# Altium PCB Mainboard.PcbDoc (part 3 of 4) (continued)
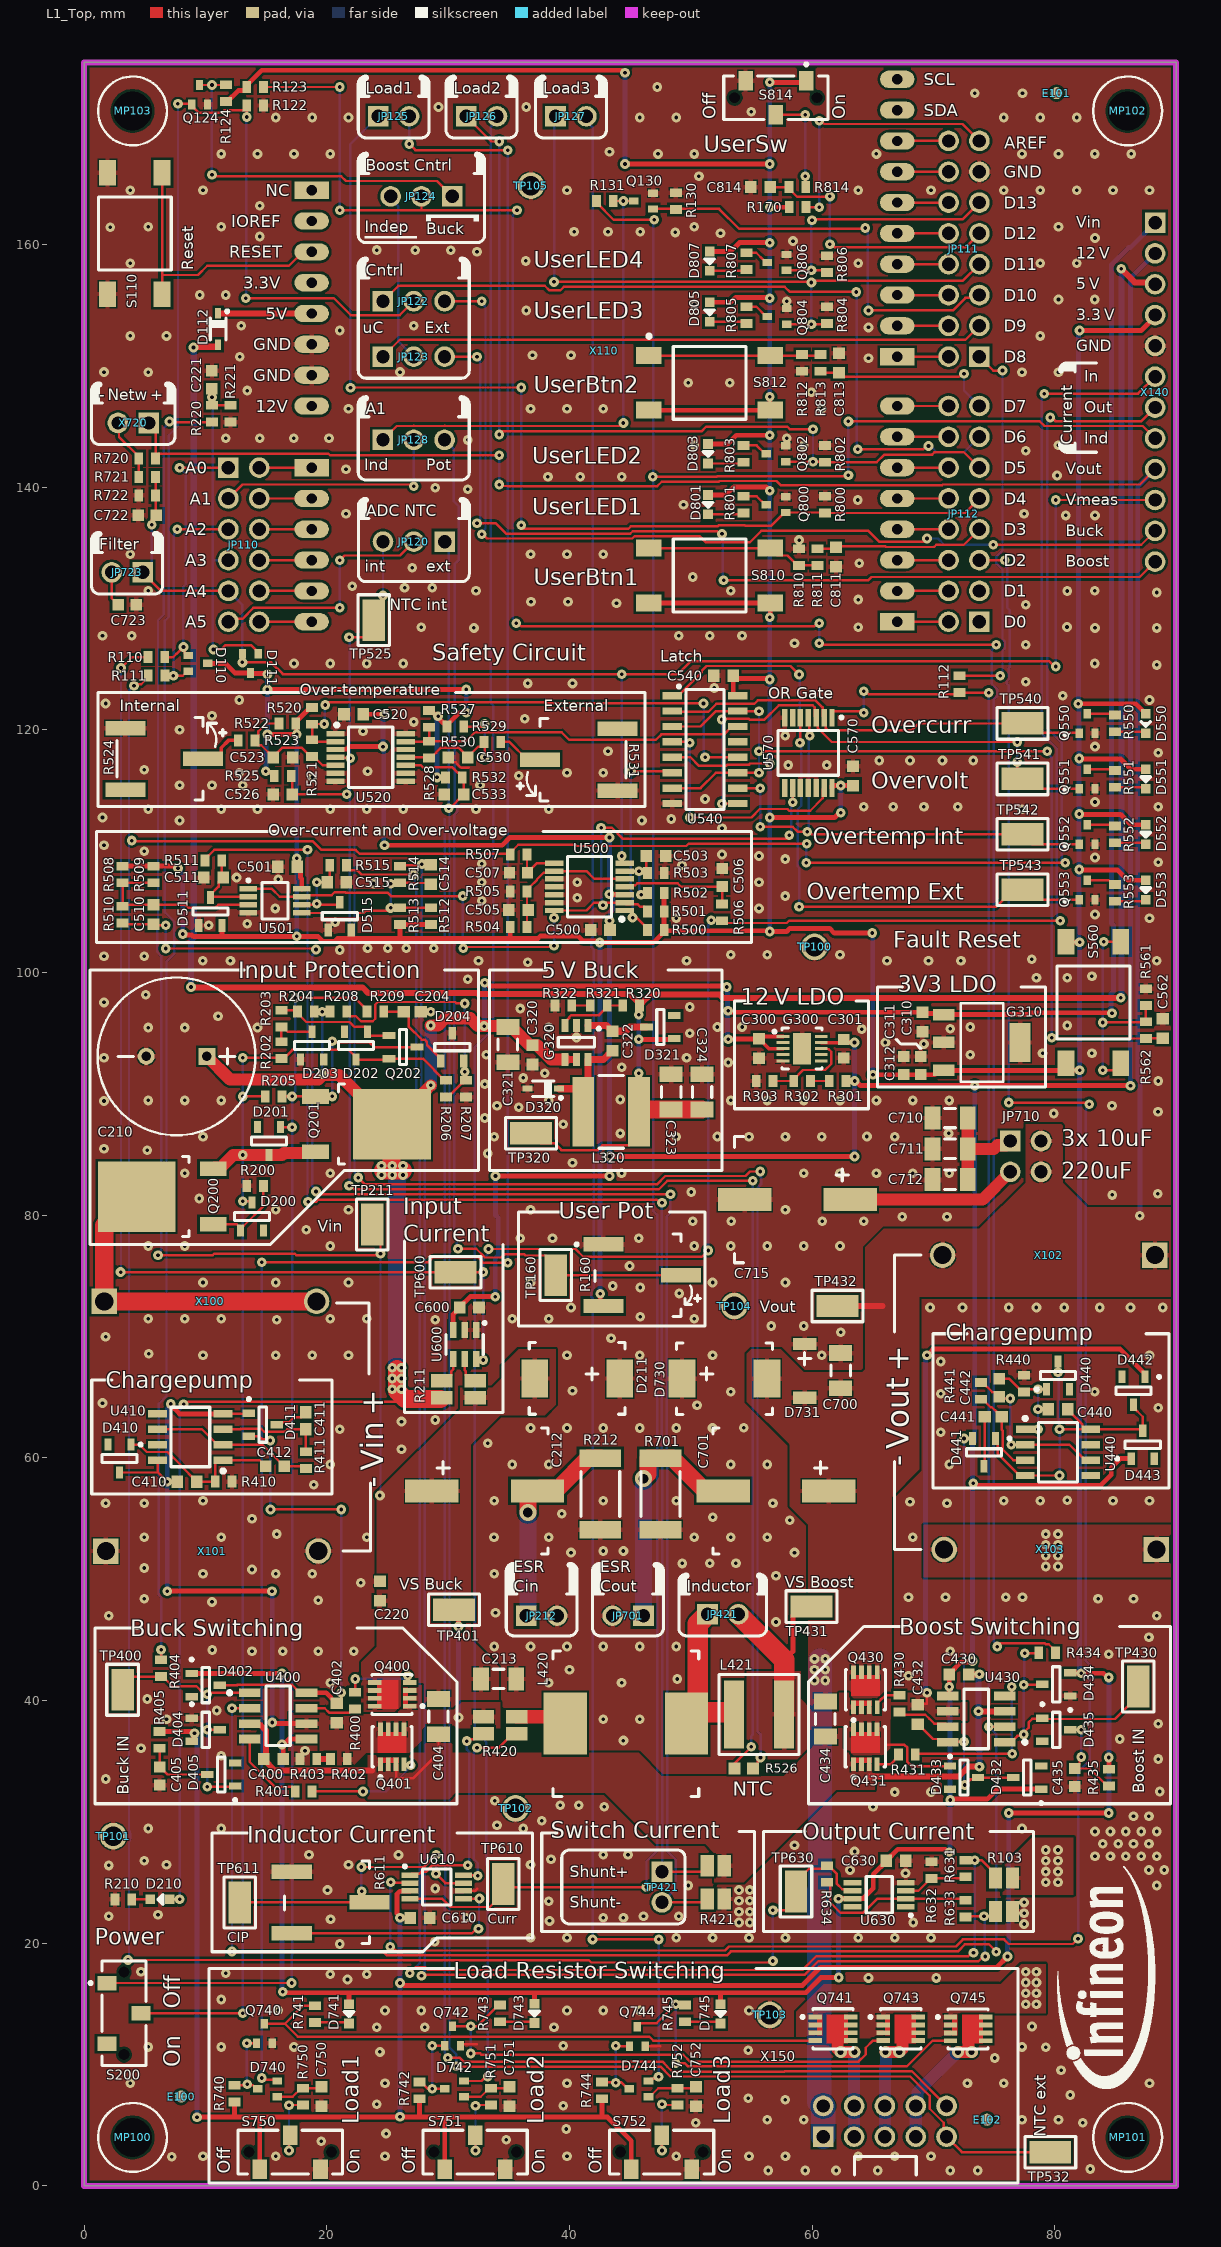
[diagram p0: L1_Top view]
## Nets (pads, with @x,y where several pads share a name; then routed paths per layer and width w, separated by ;. In a path a pad name is that pad's centre, name@x,y a point inside that pad or via, vN(x,y) a via of type N, cw(c..) or ccw(c..) an arc to the next point about the centre after c; other vN are vias at no path point) (continued)
NetC212_2: C212.2 JP212.1 R212.2 | length 17.3
  L1_Top w1.4: v3(36.576,55.499) 36.576,57.027 36.826,57.277 C212.2@37.37,57.277 37.62,57.527 39.099,57.527 41.545,59.973 R212.2@42.545,59.973
  L14_Bot w1.4: JP212.1@36.449,46.99 36.576,47.117 v3(36.576,55.499)
NetC322_1: C322.1 D320.1 G320.6 L320.1 | length 10.4
  L1_Top w0.6: D320.1@39.146,90.424 40.534,90.424 41.134,89.824 L320.1@41.134,88.519 41.529,88.914 G320.6@41.529,92.837 42.812,92.837 43.536,93.561 C322.1@43.561,93.561
NetC322_2: C322.2 D321.3 G320.1 | length 5.2
  L1_Top w0.6: G320.1@41.529,95.637 43.06,95.637 43.536,95.161 C322.2@43.561,95.161 44.615,95.161 44.958,95.504 D321.3@46.348,95.504
NetC405_2: C405.2 D405.3 R405.1 | length 5.7
  L1_Top w0.2: R405.1@6.223,36.068 C405.2@6.223,34.532 6.248,34.532 6.871,33.909 D405.3@10.153,33.909
NetC411_1: C411.1 D411.3 | length 2.8
  L1_Top w0.2: D411.3@15.882,62.738 16.082,62.938 16.901,62.938 17.319,63.357 17.913,63.357 18.288,63.732 C411.1@18.288,63.757
NetC435_2: C435.2 D435.3 R435.2 | length 7.7
  L1_Top w0.2: D435.3@81.274,37.592 v1(82.169,37.592) ; v1(82.169,35.352) 82.169,35.189 82.036,35.056 82.036,34.755 81.686,34.405 C435.2@81.661,34.405 82.88,34.405 84.32,32.965 R435.2@84.455,32.965
  L14_Bot w0.2: v1(82.169,35.352) v1(82.169,37.592)
NetC441_2: C441.2 D441.3 | length 4.1
  L1_Top w0.2: D441.3@74.162,59.302 74.23,59.37 C441.2@74.23,63.373
NetC701_2: C701.2 JP701.1 R701.2 | length 18.6
  L1_Top w1.4: v3(46.101,58.293) 46.473,58.665 46.473,59.948 46.498,59.973 R701.2@47.498,59.973 48.498,59.973 C701.2@50.944,57.527
  L14_Bot w1.4: JP701.1@46.101,46.99 v3(46.101,58.293)
NetC710_2: C710.2 C711.2 C712.2 JP710.1 | length 8.8
  L1_Top w1: C712.2@72.824,82.931 C710.2@72.824,88.005 ; C711.2@72.824,85.465 74.974,85.465 75.271,85.762 75.977,85.762 JP710.1@76.327,86.112
NetC715_1: C715.1 JP710.3 | length 14.1
  L1_Top w1: C715.1@63.151,81.28 74.035,81.28 JP710.3@76.327,83.572
NetC723_2: C723.2 JP723.2 | length 2.9
  L1_Top w0.2: JP723.2@2.286,132.975 2.286,130.828 C723.2@2.806,130.308
NetD112_1: D112.1 X110.5A | length 7.7
  L1_Top w0.5: D112.1@11.049,154.335 11.049,154.32 18.741,154.32 X110.5A@18.756,154.305
NetD210_1: D210.1 R210.2 | length 1.5
  L1_Top w0.2: R210.2@3.937,23.622 D210.1@5.461,23.622
NetD550_1: D550.1 R550.1 | length 2.6
  L1_Top w0.2: R550.1@84.957,119.833 87.387,119.833 D550.1@87.497,119.723
NetD551_1: D551.1 R551.1 | length 2.6
  L1_Top w0.2: R551.1@84.957,115.261 87.387,115.261 D551.1@87.497,115.151
NetD552_1: D552.1 R552.1 | length 2.6
  L1_Top w0.2: R552.1@84.957,110.689 87.387,110.689 D552.1@87.497,110.579
NetD553_1: D553.1 R553.1 | length 2.6
  L1_Top w0.2: R553.1@84.957,105.863 87.353,105.863 D553.1@87.497,106.007
NetD740_3: D740.3 Q740.1 R740.1 | length 6.2
  L1_Top w0.2: R740.1@12.414,8.31 v1@13.462,8.31 ; v1(13.424,11.773) Q740.1@14.209,11.773 ; v1(13.462,8.382) 13.534,8.31 13.904,8.31 14.213,8.001 D740.3@14.313,8.001
  L14_Bot w0.2: v1(13.424,11.773) 13.424,8.42 v1(13.462,8.382)
NetD741_1: D741.1 R741.2 | length 2.8
  L1_Top w0.2: R741.2@19.05,13.479 21.751,13.479 D741.1@21.844,13.386
NetD742_3: D742.3 Q742.1 R742.1 | length 6.9
  L1_Top w0.2: R742.1@27.654,8.564 27.789,8.564 28.352,8.001 v1(28.702,8.001) D742.3@29.718,8.001 ; v1(28.702,11.557) Q742.1@29.718,11.557
  L14_Bot w0.2: v1(28.702,8.001) v1(28.702,11.557)
NetD743_1: D743.1 R743.2 | length 2.9
  L1_Top w0.2: R743.2@34.29,13.534 37.006,13.534 D743.1@37.116,13.424
NetD744_3: D744.3 Q744.1 R744.1 | length 6.7
  L1_Top w0.2: R744.1@42.672,8.564 v1@43.815,8.564 ; v1(43.815,8.509) 43.87,8.564 44.257,8.564 44.82,8.001 D744.3@44.92,8.001 ; v1(43.815,11.557) 43.853,11.519 Q744.1@44.943,11.519
  L14_Bot w0.2: v1(43.815,8.509) v1(43.815,11.557)
NetD745_1: D745.1 R745.2 | length 3
  L1_Top w0.2: R745.2@49.53,13.534 52.303,13.534 D745.1@52.451,13.386
NetD801_1: D801.1 R801.1 | length 3
  L1_Top w0.2: D801.1@51.429,137.757 54.24,137.757 R801.1@54.35,137.867
NetD803_1: D803.1 R803.1 | length 3
  L1_Top w0.2: D803.1@51.429,141.948 54.24,141.948 R803.1@54.35,142.058
NetD805_1: D805.1 R805.1 | length 3.1
  L1_Top w0.2: D805.1@51.556,153.632 54.46,153.632 R805.1@54.604,153.488
NetD807_1: D807.1 R807.1 | length 3.1
  L1_Top w0.2: D807.1@51.556,157.823 54.494,157.823 R807.1@54.604,157.933
NetJP110_2: JP110.2 X110.1B | length 4.3
  L1_Top w0.2: JP110.2@14.438,141.605 X110.1B@18.756,141.605
NetJP110_4: JP110.4 X110.2B | length 4.3
  L1_Top w0.2: JP110.4@14.438,139.065 X110.2B@18.756,139.065
NetJP110_6: JP110.6 X110.3B | length 4.3
  L1_Top w0.2: JP110.6@14.438,136.525 X110.3B@18.756,136.525
NetJP110_8: JP110.8 X110.4B | length 4.3
  L1_Top w0.2: JP110.8@14.438,133.985 X110.4B@18.756,133.985
NetJP110_10: JP110.10 X110.5B | length 4.3
  L1_Top w0.2: JP110.10@14.438,131.445 X110.5B@18.756,131.445
NetJP110_12: JP110.12 X110.6B | length 4.3
  L1_Top w0.2: JP110.12@14.438,128.905 X110.6B@18.756,128.905
NetJP111_1: JP111.1 R112.2 | length 31.5
  L1_Top w0.2: R112.2@72.136,124.46 v1(75.503,124.46) ; JP111.1@73.787,150.749 74.93,149.606 v1(75.692,149.606)
  L14_Bot w0.2: v1(75.503,124.46) 75.503,124.622 75.692,124.811 75.692,126.518 75.884,126.71 75.884,127.29 75.692,127.482 75.692,133.187 75.184,133.695 75.184,134.275 75.692,134.783 v1(75.692,149.606)
NetJP111_2: JP111.2 X110.1C | length 4.2
  L1_Top w0.2: X110.1C@67.016,150.749 JP111.2@71.247,150.749
NetJP111_4: JP111.4 X110.2C | length 4.2
  L1_Top w0.2: X110.2C@67.016,153.289 JP111.4@71.247,153.289
NetJP111_6: JP111.6 X110.3C | length 4.2
  L1_Top w0.2: X110.3C@67.016,155.829 JP111.6@71.247,155.829
NetJP111_8: JP111.8 X110.4C | length 4.2
  L1_Top w0.2: X110.4C@67.016,158.369 67.056,158.369 JP111.8@71.247,158.369
NetJP111_10: JP111.10 X110.5C | length 4.2
  L1_Top w0.2: X110.5C@67.016,160.909 JP111.10@71.247,160.909
NetJP111_12: JP111.12 X110.6C | length 4.2
  L1_Top w0.2: X110.6C@67.016,163.449 JP111.12@71.247,163.449
NetJP111_14: JP111.14 X110.7C | length 4.2
  L1_Top w0.2: X110.7C@67.016,165.989 JP111.14@71.247,165.989
NetJP111_16: JP111.16 X110.8C | length 4.2
  L1_Top w0.2: X110.8C@67.016,168.529 JP111.16@71.247,168.529
NetJP112_2: JP112.2 X110.1D | length 4.2
  L1_Top w0.2: X110.1D@67.016,128.905 JP112.2@71.247,128.905
NetJP112_4: JP112.4 X110.2D | length 4.2
  L1_Top w0.2: X110.2D@67.016,131.445 JP112.4@71.247,131.445
NetJP112_6: JP112.6 X110.3D | length 4.2
  L1_Top w0.2: X110.3D@67.016,133.985 JP112.6@71.247,133.985
NetJP112_8: JP112.8 X110.4D | length 4.2
  L1_Top w0.2: X110.4D@67.016,136.525 JP112.8@71.247,136.525
NetJP112_10: JP112.10 X110.5D | length 4.2
  L1_Top w0.2: X110.5D@67.016,139.065 JP112.10@71.247,139.065
NetJP112_12: JP112.12 X110.6D | length 4.2
  L1_Top w0.2: X110.6D@67.016,141.605 JP112.12@71.247,141.605
NetJP112_14: JP112.14 X110.7D | length 4.2
  L1_Top w0.2: X110.7D@67.016,144.145 JP112.14@71.247,144.145
NetJP112_16: JP112.16 X110.8D | length 4.2
  L1_Top w0.2: X110.8D@67.016,146.685 JP112.16@71.247,146.685
NetJP421_1: JP421.1 L420.2 L421.1 | length 11.5
  L1_Top w1.7: JP421.1@51.384,47.117 50.582,46.315 50.582,39.025 53.526,39.025 53.551,39 L421.1@53.551,38.862
NetL420_1: L420.1 R420.2 | length 4.2
  L1_Top w1: L420.1@39.084,38.673 L420.1@39.657,38.1
  L1_Top w1.1: R420.2@35.665,38.673 L420.1@39.084,38.673
NetQ400_4: Q400.4 R400.1 | length 6.2
  L1_Top w0.2: R400.1@22.346,40.695 22.352,40.701 v1(22.352,41.783) ; v1(26.67,42.037) 26.67,41.588 26.77,41.488 Q400.4@26.844,41.488
  L14_Bot w0.2: v1(22.352,41.783) 26.416,41.783 v1(26.67,42.037)
NetQ401_4: Q401.4 R401.1 | length 9.7
  L1_Top w0.2: R401.1@18.796,32.512 v1(22.987,32.512) ; Q401.4@26.369,34.745 26.443,34.671 v1(26.924,34.671)
  L14_Bot w0.2: v1(22.987,32.512) 24.892,32.512 26.924,34.544 v1(26.924,34.671)
NetQ430_4: Q430.4 R430.2 | length 2.4
  L1_Top w0.2: Q430.4@65.364,39.444 65.364,39.794 65.667,40.097 65.688,40.097 66.032,40.441 R430.2@67.183,40.441
NetQ431_4: Q431.4 R431.2 | length 2.2
  L1_Top w0.2: Q431.4@65.358,34.745 66.448,34.745 67.128,35.425 R431.2@67.128,35.56
NetQ550_3: Q550.3 R550.2 | length 2.3
  L1_Top w0.2: Q550.3@82.671,121.323 84.847,121.323 R550.2@84.957,121.213
NetQ551_3: Q551.3 R551.2 | length 2.3
  L1_Top w0.2: Q551.3@82.671,116.751 84.847,116.751 R551.2@84.957,116.641
NetQ552_3: Q552.3 R552.2 | length 2.3
  L1_Top w0.2: Q552.3@82.671,112.179 84.847,112.179 R552.2@84.957,112.069
NetQ553_3: Q553.3 R553.2 | length 2.4
  L1_Top w0.2: Q553.3@82.671,107.607 84.458,107.607 84.822,107.243 R553.2@84.957,107.243
NetQ740_3: Q740.3 Q741.4 R741.1 | length 49.1
  L1_Top w0.2: Q740.3@14.859,13.373 16.548,13.373 ; R741.1@19.05,14.859 18.034,14.859 16.548,13.373 ; Q741.4@60.272,11.979 46.907,11.979 46.594,12.292 17.629,12.292 16.548,13.373
NetQ742_3: Q742.3 Q743.4 R743.1 | length 42.2
  L1_Top w0.2: Q742.3@30.368,13.157 v1(31.877,13.157) 32.398,13.157 34.155,14.914 R743.1@34.29,14.914 ; v1(31.877,10.922) 32.639,10.922 32.742,10.819 49.379,10.819 49.949,10.249 63.831,10.249 64.421,10.838 64.421,11.39 65.01,11.979 Q743.4@65.86,11.979
  L14_Bot w0.2: v1(31.877,10.922) v1(31.877,13.157)
NetQ744_3: Q744.3 Q745.4 R745.1 | length 33.3
  L1_Top w0.2: Q744.3@45.593,13.119 45.593,13.219 45.793,13.419 47.201,13.419 v1(48.768,14.986) 49.458,14.986 R745.1@49.53,14.914 ; v1(48.768,10.119) 49.513,10.119 49.783,9.849 67.804,9.849 69.926,11.971 Q745.4@71.408,11.971
  L14_Bot w0.2: v1(48.768,10.119) v1(48.768,14.986)
NetQ800_3: Q800.3 R801.2 | length 2.2
  L1_Top w0.2: R801.2@54.35,139.247 55.427,139.247 56.117,138.557 Q800.3@56.217,138.557
NetQ802_3: Q802.3 R803.2 | length 2.2
  L1_Top w0.2: R803.2@54.35,143.438 55.427,143.438 56.117,142.748 Q802.3@56.217,142.748
NetQ804_3: Q804.3 R805.2 | length 2
  L1_Top w0.2: R805.2@54.604,154.868 55.404,154.868 56.206,154.066 Q804.3@56.306,154.066
NetQ806_3: Q806.3 R807.2 | length 2
  L1_Top w0.2: R807.2@54.604,159.313 55.399,159.313 Q806.3@55.998,158.714 ; Q806.3@55.998,158.713 56.198,158.513 Q806.3@56.298,158.513
NetR301_1: R301.1 R302.2 | length 1.5
  L1_Top w0.2: R302.2@59.872,91.059 R301.1@61.413,91.059
NetR321_1: R321.1 R322.2 | length 1.5
  L1_Top w0.2: R322.2@40.187,97.282 R321.1@41.728,97.282
NetR400_2: R400.2 U400.7 | length 4.3
  L1_Top w0.2: U400.7@18.336,39.37 19.842,39.37 20.198,39.014 21.91,39.014 22.211,39.315 R400.2@22.346,39.315
NetR401_2: R401.2 U400.4 | length 6.7
  L1_Top w0.2: U400.4@13.656,36.83 13.656,34.939 15.688,32.907 17.156,32.907 17.416,32.647 R401.2@17.416,32.512
NetR402_2: R402.2 R403.1 | length 1.1
  L1_Top w0.5: R403.1@19.171,35.179 R402.2@20.314,35.179
NetR430_1: R430.1 U430.7 | length 4.5
  L1_Top w0.2: R430.1@67.183,39.061 67.407,38.837 69.325,38.837 69.664,38.498 70.062,38.1 70.939,38.1 U430.7@71.193,37.846
NetR431_1: R431.1 U430.4 | length 14.7
  L1_Top w0.2: R431.1@68.508,35.56 68.564,35.616 v1(76.486,35.616) ; U430.4@75.873,40.386 76.194,40.386 76.454,40.646 v1(76.454,41.148)
  L14_Bot w0.2: v1(76.454,41.148) 76.47,41.132 76.47,35.632 v1(76.486,35.616)
NetR523_2: R523.2 R524.2 | length 3.8
  L1_Top w0.3: R524.2@9.804,117.602 10.859,117.602 11.304,118.047 11.304,118.523 11.907,119.126 R523.2@12.717,119.126
NetR526_1: R526.1 W500.1 | length 114.4
  L1_Top w0.2: v1(22.59,83.1) 23.156,82.533 47.205,82.533 47.902,83.23 54.509,83.23 54.879,83.6 55.719,83.6 55.738,83.581 v1(55.738,83.6) ; R526.1@55.118,34.417 55.518,34.817 55.518,35.071 v1(55.753,35.306)
  L14_Bot w0.2: W500.1@22.352,113.674 22.352,112.199 22.29,112.136 22.29,83.517 22.59,83.217 v1(22.59,83.1) ; v1(55.738,83.6) 55.529,83.39 55.799,83.12 55.799,82.54 55.499,82.24 55.499,37.465 55.753,37.211 v1(55.753,35.306)
NetR530_2: R530.2 R531.2 | length 3.8
  L1_Top w0.2: R530.2@34.345,118.999 35.058,118.999 36.523,117.535 R531.2@37.578,117.535
NetR561_2: R561.2 R562.1 S560.1 S560.2 | length 18.7
  L1_Top w0.2: v1(83.947,91.948) 84.847,91.948 S560.2@85.435,92.536 ; v1(83.947,95.885) 87.448,95.885 R562.1@87.503,95.94 R561.2@87.503,97.282 ; v1(84.04,102.536) S560.1@85.435,102.536
  L14_Bot w0.2: v1(83.947,91.948) v1(83.947,95.885) 83.947,102.443 v1(84.04,102.536)
NetR750_1: R750.1 S750.2 | length 6.2
  L1_Top w0.2: v1(16.891,2.921) 16.891,4.099 S750.2@16.986,4.194 ; v1(16.891,6.651) 16.916,6.676 R750.1@18.034,6.676
  L14_Bot w0.2: v1(16.891,2.921) v1(16.891,6.651)
NetR751_1: R751.1 S751.2 | length 6.3
  L1_Top w0.2: S751.2@32.226,4.194 32.258,4.162 v1(32.258,2.921) ; v1(32.258,6.621) 32.313,6.676 R751.1@33.528,6.676
  L14_Bot w0.2: v1(32.258,2.921) v1(32.258,6.621)
NetR752_1: R752.1 S752.2 | length 6.4
  L1_Top w0.2: S752.2@47.593,4.194 47.625,4.162 v1(47.625,2.921) ; v1(47.625,6.731) 47.68,6.676 R752.1@48.895,6.676
  L14_Bot w0.2: v1(47.625,2.921) v1(47.625,6.731)
NetR810_2: R810.2 R811.2 S810.1 S810.2 | length 14.5
  L1_Top w0.2: S810.1@46.556,134.965 S810.2@56.556,134.965 57.156,134.365 57.971,134.365 58.787,133.549 R810.2@58.922,133.549 R811.2@60.446,133.549
NetR812_2: R812.2 R813.2 S812.1 S812.2 | length 14.2
  L1_Top w0.2: S812.1@46.556,150.84 S812.2@56.556,150.84 60.615,150.84 R813.2@60.706,150.931
NetR814_2: R814.2 S814.2 | length 8.4
  L1_Top w0.2: S814.2@57.017,170.685 57.02,170.688 v1(59.436,170.688) ; v1(59.436,165.608) 59.485,165.559 R814.2@59.485,164.719
  L14_Bot w0.2: v1(59.436,165.608) v1(59.436,170.688)
NetW100_1: W100.1 X150.10 | length 144.2
  L1_Top w0.2: v1(29.972,10.557) 30.972,10.557 31.276,10.253 31.556,10.253 31.587,10.222 32.167,10.222 32.198,10.253 47.659,10.253 48.068,9.844 48.068,9.829 48.478,9.419 57.693,9.419 57.723,9.449 68.227,9.449 X150.10@71.08,6.596
  L14_Bot w0.2: W100.1@29.718,111.769 29.718,26.668 29.783,26.603 29.783,24.623 29.718,24.558 29.718,10.973 29.972,10.719 v1(29.972,10.557)
Netw-: R720.1 R721.1 X720.2 | length 5.2
  L1_Top w0.2: X720.2@2.794,145.288 2.881,145.201 2.881,144.138 4.517,142.502 R720.1@4.517,142.367 R721.1@4.517,140.843
NINV_TLV197: R631.2 R632.2 U630.3 | length 5.4
  L1_Top w0.2: U630.3@67.732,24.328 68.757,24.328 69.455,25.026 69.455,25.085 69.715,25.345 R632.2@69.85,25.345 72.517,25.345 R631.2@72.644,25.472
NTC_Arduino: JP110.11 JP120.2 | length 20.3
  L1_Top w0.2: JP110.11@11.898,128.905 12.134,129.141 13.048,129.141 13.962,130.055 21.075,130.055 v1(21.082,130.048) ; v1(21.082,133.985) 21.463,134.366 24.511,134.366 ccw(c24.638,135.509) 24.765,134.366 26.035,134.366 JP120.2@27.178,135.509
  L14_Bot w0.2: v1(21.082,130.048) v1(21.082,133.985)
NTC_ext: C533.2 JP120.1 R532.2 TP532.1 U520.10 X150.9 | length 187.6
  L1_Top w0.2: U520.10@26.516,117.079 27.764,117.079 27.914,116.929 30.319,116.929 30.775,116.473 30.91,116.473 31.17,116.213 R532.2@31.17,116.078 ; v1(30.046,113.532) 30.156,113.532 31.28,114.656 C533.2@31.28,114.681 R532.2@31.28,116.078 ; v1(30.684,9.855) 30.912,9.855 30.945,9.822 36.411,9.822 36.427,9.838 47.493,9.838 48.312,9.019 68.091,9.019 69.69,7.42 69.69,6.36 70.844,5.206 70.844,4.292 X150.9@71.08,4.056 72.342,2.794 TP532.1@79.629,2.794
  L14_Bot w0.2: JP120.1@29.718,135.509 30.046,135.181 30.046,113.696 v1@30.161,113.581 ; v1(30.046,113.532) 30.05,113.532 30.099,113.581 v1@30.161,113.581 ; v1(30.684,9.855) 30.734,9.905 30.684,9.955 30.684,10.835 30.118,11.401 30.118,24.392 30.183,24.457 30.183,26.769 30.118,26.834 30.118,113.538 v1@30.161,113.581
NTC_Ext_Thresh: C530.2 R528.1 R529.1 R530.1 U520.11 | length 13.8
  L1_Top w0.2: U520.11@26.516,117.729 28.393,117.729 R528.1@28.448,117.674 28.583,117.674 29.019,118.11 29.019,118.124 29.424,118.529 30.848,118.529 C530.2@31.623,117.754 ; R529.1@31.297,120.269 33.02,120.269 v1(33.02,120.494) ; C530.2@31.623,117.729 C530.2@31.623,117.754 ; v1(33.02,117.729) 33.02,118.944 R530.1@32.965,118.999 32.965,118.864 32.705,118.604 32.473,118.604 C530.2@31.623,117.754
  L14_Bot w0.2: v1(33.02,117.729) v1(33.02,120.494)
NTC_int: C526.2 JP120.3 R525.2 R526.2 TP525.1 U520.4 | length 145.8
  L1_Top w0.2: R525.2@17.327,116.6 17.067,116.34 R525.2@17.067,116.205 17.177,116.095 C526.2@17.177,114.681 v1(21.652,114.681) ; U520.4@20.716,117.729 20.747,117.698 21.913,117.698 v1(21.944,117.667) ; v1(21.844,82.433) 21.961,82.433 22.261,82.133 47.371,82.133 48.068,82.83 v1(55.099,82.83) ; v1(21.844,127.635) 23.051,127.635 23.876,128.46 TP525.1@23.876,129.032 24.638,129.794 v1(24.638,131.064) ; R526.2@53.618,34.417 53.618,34.822 v1(54.991,36.195)
  L14_Bot w0.2: v1(21.652,114.681) v1@21.89,114.681 ; v1(21.844,82.433) 21.89,82.479 v1@21.89,114.681 ; v1(21.844,127.635) 21.894,127.585 21.894,117.717 v1(21.944,117.667) ; v1@21.89,117.729 v1@21.89,114.681 ; v1(24.638,131.064) JP120.3@24.638,135.509 ; v1(54.991,36.195) 54.991,37.084 55.099,37.192 v1(55.099,82.83)
NTC_Int_Thresh: C523.2 R521.1 R522.1 R523.1 U520.5 | length 11.1
  L1_Top w0.2: C523.2@15.583,117.729 C523.2@15.583,117.754 ; R522.1@16.074,120.523 15.012,120.523 14.357,119.868 14.357,119.386 R523.1@14.097,119.126 14.097,118.991 14.357,118.731 14.606,118.731 C523.2@15.583,117.754 ; U520.5@20.716,117.079 19.653,117.079 18.931,117.801 R521.1@18.796,117.801 18.661,117.801 17.933,118.529 16.358,118.529 C523.2@15.583,117.754
Out_555_Boost: C441.1 R441.1 U440.3 | length 7.3
  L1_Top w0.2: R441.1@73.908,64.842 74.043,64.842 74.708,64.177 74.825,64.177 75.23,63.772 75.23,63.748 75.605,63.373 C441.1@75.63,63.373 75.63,62.333 75.712,62.251 75.712,60.686 76.581,59.817 U440.3@77.558,59.817
Out_555_Buck: C411.2 R411.1 U410.3 | length 8.9
  L1_Top w0.2: U410.3@11.463,62.357 12.902,62.357 12.933,62.388 14.607,62.388 14.857,62.138 16.531,62.138 16.75,62.357 C411.2@18.288,62.357 R411.1@18.288,60.507
Out_Curr_ADC: D110.2 JP110.5 R111.1 | length 18.6
  L1_Top w0.2: R111.1@6.665,124.46 v1(7.366,124.46) 8.132,124.46 8.498,124.826 D110.2@8.598,124.826 ; v1(7.685,136.525) JP110.5@11.898,136.525
  L14_Bot w0.2: v1(7.366,124.46) 7.493,124.587 7.385,124.695 7.385,136.063 7.685,136.363 v1(7.685,136.525)
Out_Curr_Filtr: C507.2 R507.1 U500.8 | length 4.2
  L1_Top w0.2: R507.1@36.504,109.855 36.504,108.258 36.587,108.258 37.34,109.011 U500.8@38.756,109.011
Out_neg: Q741.1 Q741.2 Q741.3 Q743.1 Q743.2 Q743.3 Q745.1 Q745.2 Q745.3 R103.1 X103.1 X103.2
  other v1: 77.597,14.986 78.486,14.986 77.597,15.875 78.486,15.875 77.597,16.764 78.486,16.764 77.597,17.653 78.486,17.653 79.248,25.019 80.264,25.019 79.248,25.908 80.264,25.908 79.248,26.797 80.264,26.797 79.248,27.686 80.264,27.686 79.248,51.054 80.264,51.054 79.248,51.943 80.264,51.943 79.248,52.832 80.264,52.832 79.248,53.721 80.264,53.721
Output_Current: R111.2 R507.2 R634.2 TP630.1 U630.6 X140.7 | length 301.1
  L1_Top w0.2: v1(3.62,18.623) 22.744,18.623 22.761,18.606 41.608,18.606 41.799,18.415 56.352,18.415 56.364,18.427 56.654,18.427 v1(56.769,18.542) ; v1(3.937,110.871) 3.999,110.809 18.858,110.809 19.558,110.109 22.381,110.109 22.7,109.79 R507.2@35.062,109.79 ; v1(4.12,123.642) 4.235,123.757 4.717,123.757 5.285,124.325 R111.2@5.285,124.46 ; R507.2@35.124,109.728 35.124,109.863 35.784,110.523 40.465,110.523 40.563,110.425 49.632,110.425 49.815,110.608 v1(59.557,110.608) ; v1(56.769,22.733) 57.849,22.733 58.674,23.558 TP630.1@58.674,24.257 ; TP630.1@57.95,25.781 58.674,25.057 59.756,26.139 60.954,26.139 R634.2@61.214,26.399 61.349,26.399 62.046,25.702 62.046,24.89 62.483,24.453 63.207,24.453 U630.6@63.332,24.328 ; v1(59.511,109.041) 59.518,109.048 80.849,109.048 v1(80.856,109.055) ; v1(79.629,145.734) 79.746,145.734 80.046,145.434 87.141,145.434 X140.7@88.265,146.558
  L14_Bot w0.2: v1(3.62,18.623) 3.708,18.711 3.708,28.297 ccw(c2.413,28.829) 3.708,29.361 3.708,75.015 3.714,75.021 3.714,75.601 3.708,75.607 3.708,123.23 v1(4.12,123.642) ; v1(56.769,18.542) v1(56.769,22.733) ; v1(59.511,109.041) 59.534,109.064 59.534,110.585 v1(59.557,110.608) ; v1(79.629,145.734) 79.629,145.572 79.375,145.318 79.375,120.142 80.556,118.961 80.556,109.055 v1(80.856,109.055)
Overcurr: U540.4 U570.13 | length 20.2
  L1_Top w0.2: U540.4@48.481,119.005 49.833,119.005 v1(49.911,118.927) ; v1(49.911,112.776) 54.991,112.776 55.691,113.476 57.965,113.476 58.106,113.336 59.846,113.336 60.865,114.355 60.865,115.079 U570.13@60.99,115.204
  L14_Bot w0.2: v1(49.911,112.776) v1(49.911,118.927)
Overtemp_Ext: R527.2 R528.2 U520.13 U540.14 | length 29.5
  L1_Top w0.2: U520.13@26.516,119.029 28.423,119.029 R528.2@28.448,119.054 ; R527.2@28.448,120.214 R528.2@28.448,119.054 ; U540.14@53.881,120.275 53.381,120.275 52.733,119.627 47.579,119.627 47.132,119.18 39.976,119.18 39.362,119.794 32.206,119.794 31.466,119.054 R528.2@28.448,119.054
Overtemp_Int: R520.2 R521.2 U520.2 U540.12 | length 44.4
  L1_Top w0.2: v1(19.787,120.477) 18.805,120.477 R520.2@18.796,120.468 R521.2@18.796,119.181 18.948,119.029 U520.2@20.716,119.029 ; v1(19.891,122.047) 19.891,122.126 20.019,122.254 38.002,122.254 38.082,122.174 v1(51.054,122.174) ; v1(51.181,117.729) 53.875,117.729 U540.12@53.881,117.735
  L14_Bot w0.2: v1(19.787,120.477) 19.839,120.529 19.839,121.941 19.812,121.968 v1(19.891,122.047) ; v1(51.054,122.174) 51.054,117.856 v1(51.181,117.729)
Overvolt: R500.2 U500.1 U540.6 | length 18.4
  L1_Top w0.2: U500.1@44.556,105.111 45.081,105.111 45.206,104.986 v1(45.206,104.527) ; v1(45.085,116.586) 48.36,116.586 U540.6@48.481,116.465 ; v1@45.373,104.694 46.427,103.64 R500.2@46.427,103.505
  L14_Bot w0.2: v1(45.085,116.586) 45.04,116.541 45.04,106.748 45.206,106.582 v1(45.206,104.527)
Overvoltage_Gate: D202.1 Q202.1 R203.1 R204.1 | length 10
  L1_Top w0.2: R203.1@16.256,96.884 17.488,96.884 R204.1@17.598,96.774 17.598,96.639 18.314,95.923 21.887,95.923 22.287,95.523 23.163,95.523 23.363,95.323 D202.1@23.363,95.123 23.363,95.003 23.563,94.803 Q202.1@25.139,94.803
Pwr_Gate: D201.1 Q201.1 Q202.3 R205.1 R209.2 S200.1 | length 119.8
  L1_Top w0.2: S200.1@1.896,16.724 v1(17.105,16.724) ; D201.1@16.19,87.256 17.138,87.256 v1(17.145,87.249) ; R205.1@16.311,89.789 v1(17.145,89.789) 19.069,89.789 v1(20.447,89.789) ; v1(17.399,97.917) 22.305,97.917 22.813,97.409 23.313,96.909 R209.2@23.313,96.774 ; v1(20.447,94.323) 20.536,94.234 23.54,94.234 23.921,93.853 Q202.3@27.439,93.853
  L14_Bot w0.2: v1(17.105,16.724) 17.105,19.01 17.145,19.05 v1(17.145,87.249) v1(17.145,89.789) 17.145,89.951 17.399,90.205 v1(17.399,97.917) ; v1(20.447,89.789) v1(20.447,94.323)
Reset: S110.3 S110.4 X110.3A | length 23.1
  L1_Top w0.2: S110.3@6.435,155.909 6.435,157.48 ; S110.4@6.435,165.909 6.435,157.48 ; X110.3A@18.756,159.385 18.034,159.385 16.891,158.242 10.16,158.242 9.398,157.48 6.435,157.48
RevPolGate: D200.1 Q200.1 R200.2 | length 6.9
  L1_Top w0.2: Q200.1@10.643,79.254 12.572,79.254 D200.1@12.893,78.933 ; D200.1@12.893,78.733 D200.1@12.893,78.933 ; R200.2@14.787,82.423 14.787,80.753 13.167,79.133 13.093,79.133 D200.1@12.893,78.933
SC_Overcurr_Filtr: C515.2 D515.3 R515.2 U501.6 | length 7.6
  L1_Top w0.2: U501.6@17.942,105.593 20.882,105.593 21.082,105.793 D515.3@21.082,105.798 D515.3@20.882,105.998 ; v1(19.177,107.442) C515.2@20.028,107.442 20.248,107.662 R515.2@20.248,108.839
  L14_Bot w0.2: v1(19.177,105.664) v1(19.177,107.442)
SC_Overcurr_Thresh: C514.2 R512.2 R513.1 R514.1 U501.5 | length 16.1
  L1_Top w0.2: U501.5@17.942,104.943 17.983,104.902 23.025,104.902 23.201,105.078 v1@25.262,105.078 ; v1(25.262,105.323) 25.94,105.323 25.98,105.283 R513.1@26.035,105.338 28.569,105.338 R512.2@28.575,105.332 ; v1(25.273,107.315) 25.963,107.315 R514.1@26.035,107.387 26.844,107.387 26.854,107.377 28.475,107.377 C514.2@28.575,107.277
  L14_Bot w0.2: v1(25.262,105.323) 25.262,107.304 v1(25.273,107.315)
SW_Curr+: R421.3 R511.1 TP421.1 | length 126.4
  L1_Top w0.2: R511.1@9.978,109.22 9.978,109.355 10.732,110.109 v1(18.415,110.109) ; v1(18.465,81.103) 19.127,81.103 19.297,81.273 47.216,81.273 47.463,81.026 v1(47.625,81.026) ; TP421.1@47.625,25.908 50.92,25.908 51.37,26.358 R421.3@51.37,26.394
  L14_Bot w0.2: v1(18.415,110.109) 18.415,81.153 v1(18.465,81.103) ; TP421.1@47.625,25.908 47.651,25.934 47.651,59.756 47.625,59.782 47.625,80.195 v1(47.625,81.026)
SW_Curr-: C510.1 R421.4 R510.2 TP421.2 | length 130.6
  L1_Top w0.2: R510.2@3.175,104.085 3.285,103.975 C510.1@5.715,103.975 5.804,103.886 v1(6.731,103.886) ; v1(6.731,101.981) 19.033,101.981 v1(19.115,101.899) ; v1(19.115,81.949) 19.277,81.949 19.493,81.733 v1(48.332,81.733) ; TP421.2@47.625,23.368 51.094,23.368 R421.4@51.37,23.644
  L14_Bot w0.2: v1(6.731,101.981) v1(6.731,103.886) ; v1(19.115,81.949) 19.115,82.066 18.815,82.366 18.815,101.456 19.115,101.756 v1(19.115,101.899) ; TP421.2@47.625,23.368 48.775,24.518 48.775,26.882 48.051,27.606 48.051,59.921 48.025,59.947 48.025,79.902 48.325,80.202 48.325,81.726 v1(48.332,81.733)
SW_Curr_Filtr: C511.2 D511.3 R511.2 U501.2 | length 6.7
  L1_Top w0.2: R511.2@11.358,109.22 11.358,107.933 C511.2@11.468,107.823 11.093,107.448 11.093,107.083 10.414,106.404 D511.3@10.414,106.179 10.478,106.243 U501.2@13.542,106.243
SW_Curr_Thresh: C510.2 R508.2 R509.1 R510.1 U501.3 | length 15.1
  L1_Top w0.2: R509.1@5.715,107.387 R508.2@3.175,107.387 R510.1@3.175,105.465 3.285,105.575 C510.2@5.715,105.575 8.366,105.575 8.587,105.354 10.838,105.354 11.059,105.575 13.524,105.575 U501.3@13.542,105.593
Switch1: C750.2 D740.1 R750.2 | length 4
  L1_Top w0.2: D740.1@15.913,7.351 17.194,7.351 17.899,8.056 R750.2@18.034,8.056 19.448,8.056 C750.2@19.558,8.166
Switch2: C751.2 D742.1 R751.2 | length 4.1
  L1_Top w0.2: D742.1@31.318,7.351 32.688,7.351 33.393,8.056 R751.2@33.528,8.056 34.942,8.056 C751.2@35.052,8.166
Switch3: C752.2 D744.1 R752.2 | length 4.2
  L1_Top w0.2: D744.1@46.52,7.351 46.62,7.351 47.325,8.056 R752.2@48.895,8.056 50.309,8.056 C752.2@50.419,8.166
TL431_K: C204.2 D204.1 R209.1 | length 7.2
  L1_Top w0.2: R209.1@24.693,96.774 C204.2@26.351,96.774 26.376,96.774 26.751,96.399 26.751,95.55 27.848,94.453 28.088,94.453 28.264,94.277 28.264,94.037 29.173,93.128 29.203,93.128 29.403,92.928 D204.1@29.403,92.703